# Altium PCB IDC_MCX_Adapter_flex.PCBDOC (part 3 of 4)
Units mm, origin at the board's own origin, x right, y up, seen from the top; angles counter-clockwise.
Board outline 170.6 x 106.1 mm, 4 copper layers (L1, L2, L3, L4), stack 1.598 mm thick; 298 components, 203 nets, 907 pads, 346 vias.
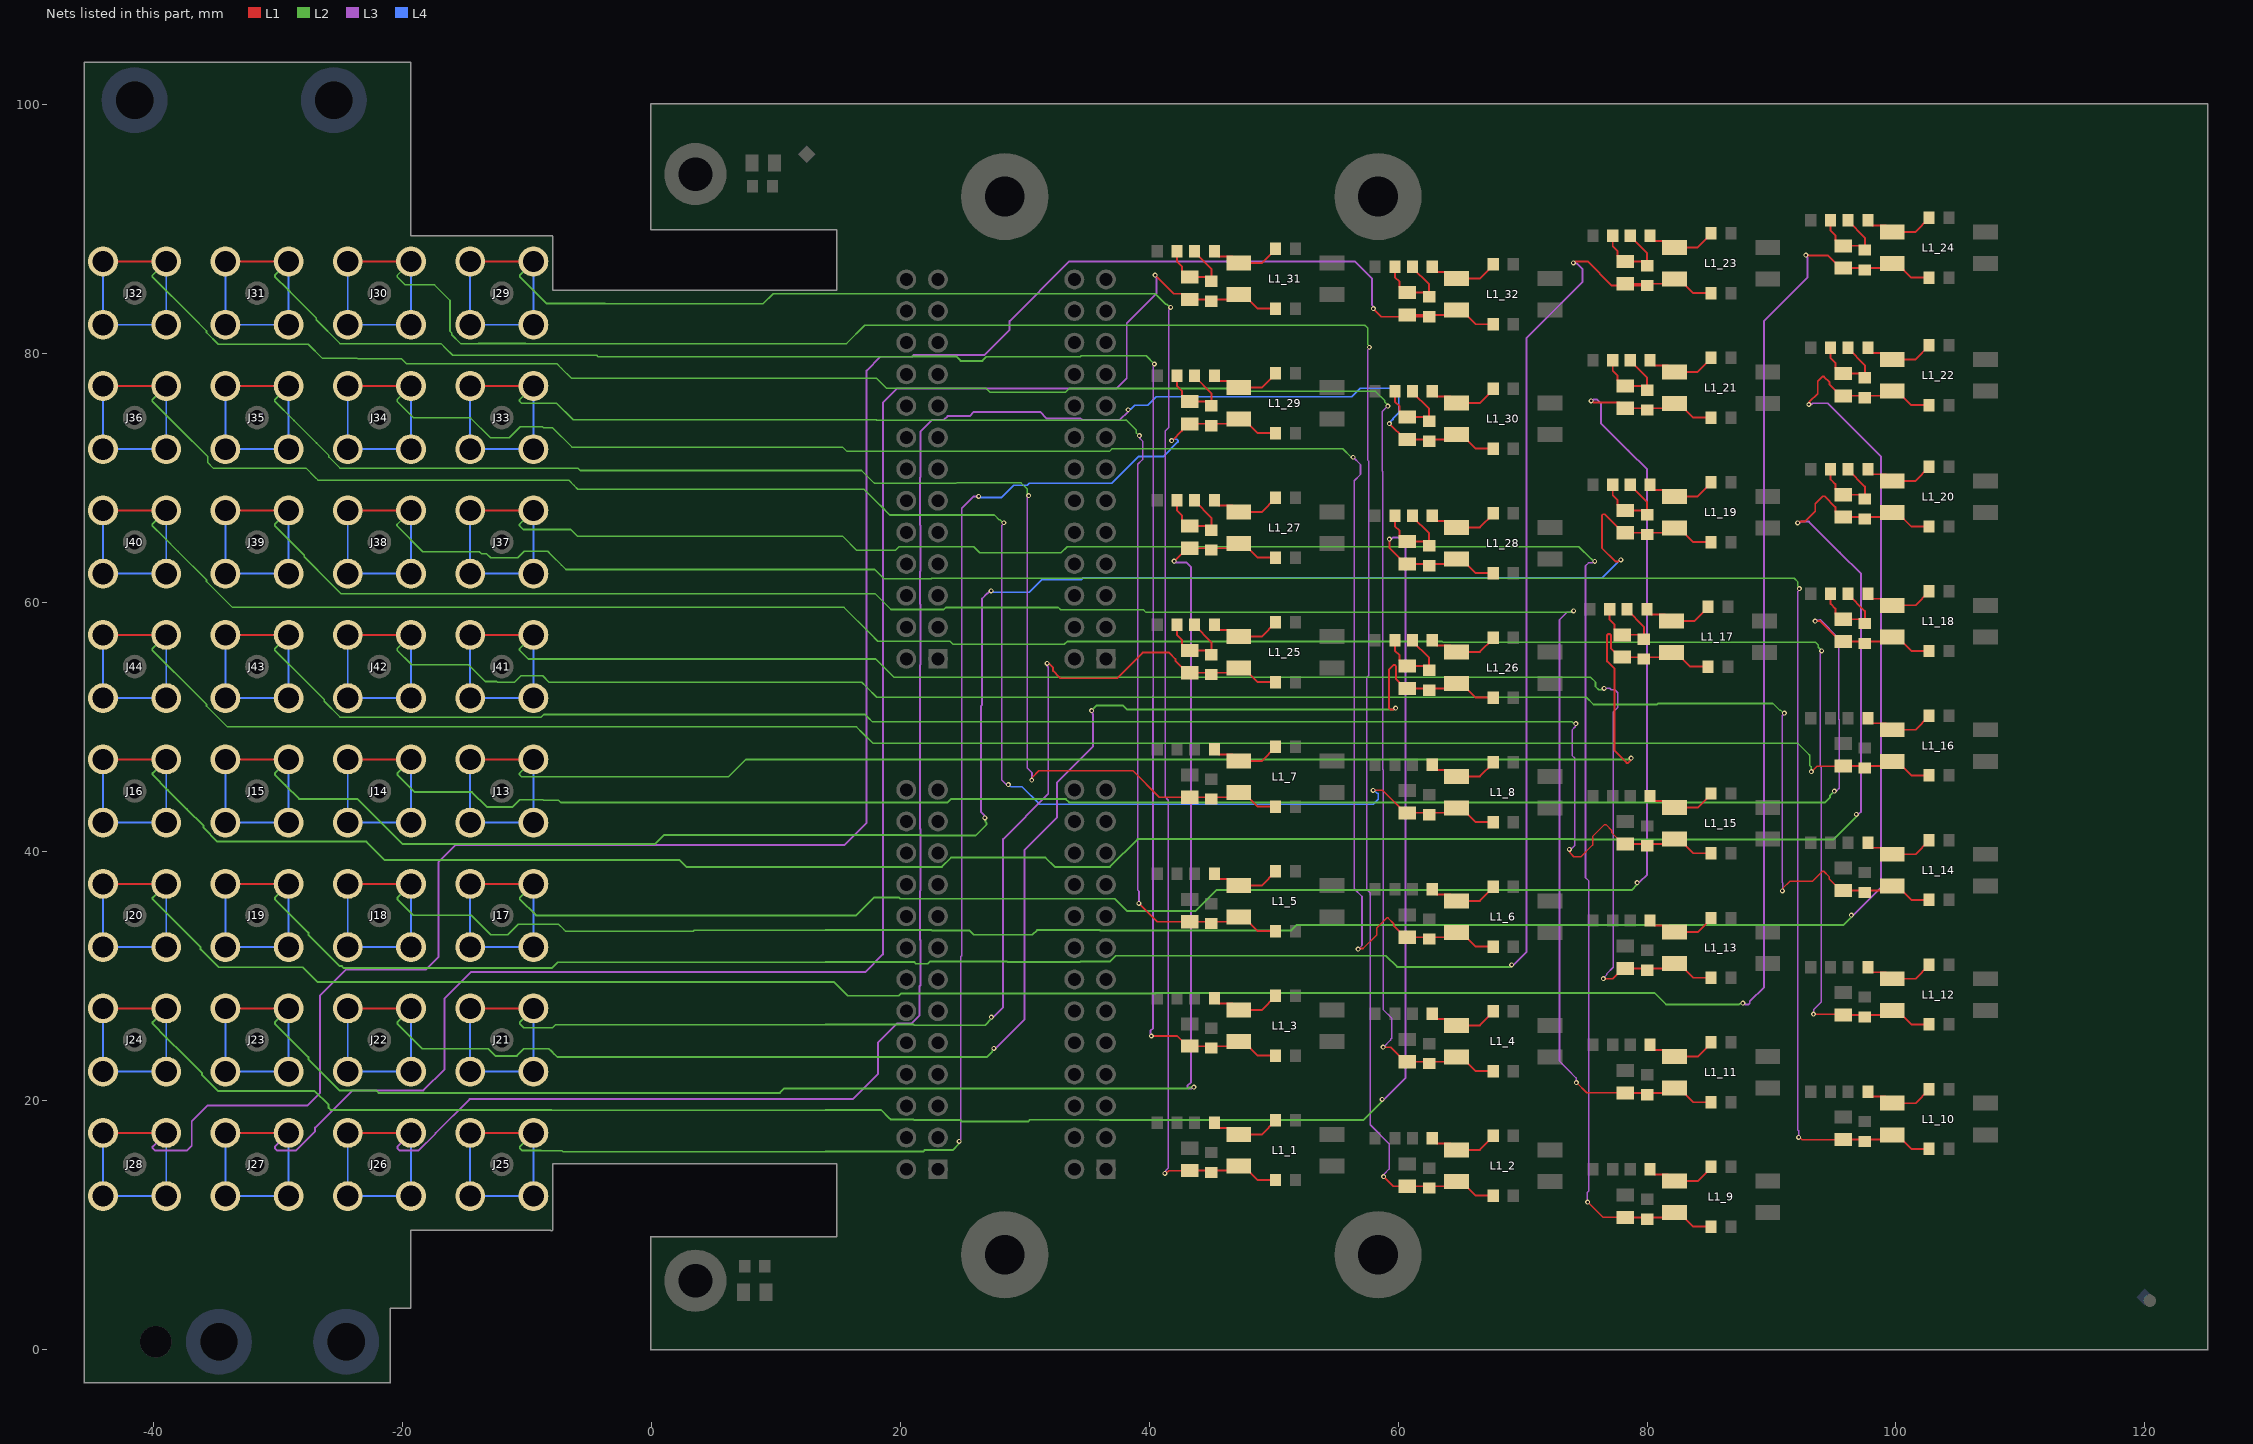
[diagram p5: the nets of this part, all layers, seen from the top]

## Via types
v1: diameter 0.5, hole 0.2, L1 to L4, tented both sides, 176 vias
v2: diameter 0.4, hole 0.2, L1 to L4, tented both sides, 170 vias

## Nets (pads, with @x,y where several pads share a name; then routed paths per layer and width w, separated by ;. In a path a pad name is that pad's centre, name@x,y a point inside that pad or via, vN(x,y) a via of type N, cw(c..) or ccw(c..) an arc to the next point about the centre after c; other vN are vias at no path point) (continued)
NetC1_17_2: C1_17.2 R2_17.1 R3_17.2 R4_17.2 | length 7.4
  L1 w0.152: R3_17.2@77,59.45 77,58.626 77.376,58.249 77.376,57.849 77.825,57.4 C1_17.2@78,57.4 79.4,57.4 R4_17.2@79.75,57.05 79.75,58.05 78.4,59.4 R2_17.1@78.4,59.45
NetC1_18_2: C1_18.2 R2_18.1 R3_18.2 R4_18.2 | length 7.4
  L1 w0.152: R3_18.2@94.75,60.7 94.75,59.876 95.126,59.499 95.126,59.099 95.575,58.65 C1_18.2@95.75,58.65 97.15,58.65 R4_18.2@97.5,58.3 97.5,59.3 96.15,60.65 R2_18.1@96.15,60.7
NetC1_19_2: C1_19.2 R2_19.1 R3_19.2 R4_19.2 | length 7.4
  L1 w0.152: R3_19.2@77.25,69.45 77.25,68.626 77.626,68.249 77.626,67.849 78.075,67.4 C1_19.2@78.25,67.4 79.65,67.4 R4_19.2@80,67.05 80,68.05 78.65,69.4 R2_19.1@78.65,69.45
NetC1_20_2: C1_20.2 R2_20.1 R3_20.2 R4_20.2 | length 7.4
  L1 w0.152: R3_20.2@94.75,70.7 94.75,69.876 95.126,69.499 95.126,69.099 95.575,68.65 C1_20.2@95.75,68.65 97.15,68.65 R4_20.2@97.5,68.3 97.5,69.3 96.15,70.65 R2_20.1@96.15,70.7
NetC1_21_2: C1_21.2 R2_21.1 R3_21.2 R4_21.2 | length 7.4
  L1 w0.152: R3_21.2@77.25,79.45 77.25,78.626 77.626,78.249 77.626,77.849 78.075,77.4 C1_21.2@78.25,77.4 79.65,77.4 R4_21.2@80,77.05 80,78.05 78.65,79.4 R2_21.1@78.65,79.45
NetC1_22_2: C1_22.2 R2_22.1 R3_22.2 R4_22.2 | length 7.4
  L1 w0.152: R3_22.2@94.75,80.45 94.75,79.626 95.126,79.249 95.126,78.849 95.575,78.4 C1_22.2@95.75,78.4 97.15,78.4 R4_22.2@97.5,78.05 97.5,79.05 96.15,80.4 R2_22.1@96.15,80.45
NetC1_23_2: C1_23.2 R2_23.1 R3_23.2 R4_23.2 | length 7.4
  L1 w0.152: R3_23.2@77.25,89.45 77.25,88.626 77.626,88.249 77.626,87.849 78.075,87.4 C1_23.2@78.25,87.4 79.65,87.4 R4_23.2@80,87.05 80,88.05 78.65,89.4 R2_23.1@78.65,89.45
NetC1_24_2: C1_24.2 R2_24.1 R3_24.2 R4_24.2 | length 7.4
  L1 w0.152: R3_24.2@94.75,90.7 94.75,89.876 95.126,89.499 95.126,89.099 95.575,88.65 C1_24.2@95.75,88.65 97.15,88.65 R4_24.2@97.5,88.3 97.5,89.3 96.15,90.65 R2_24.1@96.15,90.7
NetC1_25_2: C1_25.2 R2_25.1 R3_25.2 R4_25.2 | length 7.4
  L1 w0.152: R3_25.2@42.25,58.2 42.25,57.376 42.626,56.999 42.626,56.599 43.075,56.15 C1_25.2@43.25,56.15 44.65,56.15 R4_25.2@45,55.8 45,56.8 43.65,58.15 R2_25.1@43.65,58.2
NetC1_26_2: C1_26.2 R2_26.1 R3_26.2 R4_26.2 | length 7.4
  L1 w0.152: R3_26.2@59.75,56.95 59.75,56.126 60.126,55.749 60.126,55.349 60.575,54.9 C1_26.2@60.75,54.9 62.15,54.9 R4_26.2@62.5,54.55 62.5,55.55 61.15,56.9 R2_26.1@61.15,56.95
NetC1_27_2: C1_27.2 R2_27.1 R3_27.2 R4_27.2 | length 7.4
  L1 w0.152: R3_27.2@42.25,68.2 42.25,67.376 42.626,66.999 42.626,66.599 43.075,66.15 C1_27.2@43.25,66.15 44.65,66.15 R4_27.2@45,65.8 45,66.8 43.65,68.15 R2_27.1@43.65,68.2
NetC1_28_2: C1_28.2 R2_28.1 R3_28.2 R4_28.2 | length 7.4
  L1 w0.152: R3_28.2@59.75,66.95 59.75,66.126 60.126,65.749 60.126,65.349 60.575,64.9 C1_28.2@60.75,64.9 62.15,64.9 R4_28.2@62.5,64.55 62.5,65.55 61.15,66.9 R2_28.1@61.15,66.95
NetC1_29_2: C1_29.2 R2_29.1 R3_29.2 R4_29.2 | length 7.4
  L1 w0.152: R3_29.2@42.25,78.2 42.25,77.376 42.626,76.999 42.626,76.599 43.075,76.15 C1_29.2@43.25,76.15 44.65,76.15 R4_29.2@45,75.8 45,76.8 43.65,78.15 R2_29.1@43.65,78.2
NetC1_30_2: C1_30.2 R2_30.1 R3_30.2 R4_30.2 | length 7.4
  L1 w0.152: R3_30.2@59.75,76.95 59.75,76.126 60.126,75.749 60.126,75.349 60.575,74.9 C1_30.2@60.75,74.9 62.15,74.9 R4_30.2@62.5,74.55 62.5,75.55 61.15,76.9 R2_30.1@61.15,76.95
NetC1_31_2: C1_31.2 R2_31.1 R3_31.2 R4_31.2 | length 7.4
  L1 w0.152: R3_31.2@42.25,88.2 42.25,87.376 42.626,86.999 42.626,86.599 43.075,86.15 C1_31.2@43.25,86.15 44.65,86.15 R4_31.2@45,85.8 45,86.8 43.65,88.15 R2_31.1@43.65,88.2
NetC1_32_2: C1_32.2 R2_32.1 R3_32.2 R4_32.2 | length 7.4
  L1 w0.152: R3_32.2@59.75,86.95 59.75,86.126 60.126,85.749 60.126,85.349 60.575,84.9 C1_32.2@60.75,84.9 62.15,84.9 R4_32.2@62.5,84.55 62.5,85.55 61.15,86.9 R2_32.1@61.15,86.95
NetL1_1_1: L1_1.1 R1_1.1 R2_1.2 | length 5.8
  L1 w0.152: R2_1.2@45.25,18.2 45.25,18.168 45.624,17.794 46.676,17.794 L1_1.1@47.2,17.27 49.07,17.27 R1_1.1@50.15,18.35
NetL1_2_1: L1_2.1 R1_2.1 R2_2.2 | length 5.8
  L1 w0.152: R2_2.2@62.75,16.95 62.75,16.918 63.124,16.544 64.176,16.544 L1_2.1@64.7,16.02 66.57,16.02 67.65,17.1 R1_2.1@67.65,17.15
NetL1_3_1: L1_3.1 R1_3.1 R2_3.2 | length 5.7
  L1 w0.152: R2_3.2@45.25,28.168 45.624,27.794 46.676,27.794 L1_3.1@47.2,27.27 49.07,27.27 R1_3.1@50.15,28.35
NetL1_4_1: L1_4.1 R1_4.1 R2_4.2 | length 5.8
  L1 w0.152: R2_4.2@62.75,26.95 62.75,26.918 63.124,26.544 64.176,26.544 L1_4.1@64.7,26.02 66.57,26.02 67.65,27.1 R1_4.1@67.65,27.15
NetL1_5_1: L1_5.1 R1_5.1 R2_5.2 | length 5.8
  L1 w0.152: R2_5.2@45.25,38.2 45.25,38.168 45.624,37.794 46.676,37.794 L1_5.1@47.2,37.27 49.07,37.27 50.15,38.35 R1_5.1@50.15,38.4
NetL1_6_1: L1_6.1 R1_6.1 R2_6.2 | length 5.8
  L1 w0.152: R2_6.2@62.75,36.95 62.75,36.918 63.124,36.544 64.176,36.544 L1_6.1@64.7,36.02 66.57,36.02 67.65,37.1 R1_6.1@67.65,37.15
NetL1_7_1: L1_7.1 R1_7.1 R2_7.2 | length 5.8
  L1 w0.152: R2_7.2@45.25,48.2 45.25,48.168 45.624,47.794 46.676,47.794 L1_7.1@47.2,47.27 49.07,47.27 50.15,48.35 R1_7.1@50.15,48.4
NetL1_8_1: L1_8.1 R1_8.1 R2_8.2 | length 5.8
  L1 w0.152: R2_8.2@62.75,46.95 62.75,46.918 63.124,46.544 64.176,46.544 L1_8.1@64.7,46.02 66.57,46.02 67.65,47.1 R1_8.1@67.65,47.15
NetL1_9_1: L1_9.1 R1_9.1 R2_9.2 | length 5.8
  L1 w0.152: R2_9.2@80.25,14.45 80.25,14.418 80.624,14.044 81.676,14.044 L1_9.1@82.2,13.52 84.07,13.52 85.15,14.6 R1_9.1@85.15,14.65
NetL1_10_1: L1_10.1 R1_10.1 R2_10.2 | length 5.8
  L1 w0.152: R2_10.2@97.75,20.7 97.75,20.668 98.124,20.294 99.176,20.294 L1_10.1@99.7,19.77 101.57,19.77 102.65,20.85 R1_10.1@102.65,20.9
NetL1_11_1: L1_11.1 R1_11.1 R2_11.2 | length 5.8
  L1 w0.152: R2_11.2@80.25,24.45 80.25,24.418 80.624,24.044 81.676,24.044 L1_11.1@82.2,23.52 84.07,23.52 85.15,24.6 R1_11.1@85.15,24.65
NetL1_12_1: L1_12.1 R1_12.1 R2_12.2 | length 5.8
  L1 w0.152: R2_12.2@97.75,30.7 97.75,30.668 98.124,30.294 99.176,30.294 L1_12.1@99.7,29.77 101.57,29.77 102.65,30.85 R1_12.1@102.65,30.9
NetL1_13_1: L1_13.1 R1_13.1 R2_13.2 | length 5.8
  L1 w0.152: R2_13.2@80.25,34.45 80.25,34.418 80.624,34.044 81.676,34.044 L1_13.1@82.2,33.52 84.07,33.52 85.15,34.6 R1_13.1@85.15,34.65
NetL1_14_1: L1_14.1 R1_14.1 R2_14.2 | length 5.8
  L1 w0.152: R2_14.2@97.75,40.7 97.75,40.668 98.124,40.294 99.176,40.294 L1_14.1@99.7,39.77 101.57,39.77 102.65,40.85 R1_14.1@102.65,40.9
NetL1_15_1: L1_15.1 R1_15.1 R2_15.2 | length 5.8
  L1 w0.152: R2_15.2@80.25,44.45 80.25,44.418 80.624,44.044 81.676,44.044 L1_15.1@82.2,43.52 84.07,43.52 85.15,44.6 R1_15.1@85.15,44.65
NetL1_16_1: L1_16.1 R1_16.1 R2_16.2 | length 5.8
  L1 w0.152: R2_16.2@97.75,50.7 97.75,50.668 98.124,50.294 99.176,50.294 L1_16.1@99.7,49.77 101.57,49.77 102.65,50.85 R1_16.1@102.65,50.9
NetL1_17_1: L1_17.1 R1_17.1 R2_17.2 | length 5.8
  L1 w0.152: R2_17.2@80,59.45 80,59.418 80.374,59.044 81.426,59.044 L1_17.1@81.95,58.52 83.82,58.52 84.9,59.6 R1_17.1@84.9,59.65
NetL1_18_1: L1_18.1 R1_18.1 R2_18.2 | length 5.8
  L1 w0.152: R2_18.2@97.75,60.7 97.75,60.668 98.124,60.294 99.176,60.294 L1_18.1@99.7,59.77 101.57,59.77 102.65,60.85 R1_18.1@102.65,60.9
NetL1_19_1: L1_19.1 R1_19.1 R2_19.2 | length 5.8
  L1 w0.152: R2_19.2@80.25,69.45 80.25,69.418 80.624,69.044 81.676,69.044 L1_19.1@82.2,68.52 84.07,68.52 85.15,69.6 R1_19.1@85.15,69.65
NetL1_20_1: L1_20.1 R1_20.1 R2_20.2 | length 5.8
  L1 w0.152: R2_20.2@97.75,70.7 97.75,70.668 98.124,70.294 99.176,70.294 L1_20.1@99.7,69.77 101.57,69.77 102.65,70.85 R1_20.1@102.65,70.9
NetL1_21_1: L1_21.1 R1_21.1 R2_21.2 | length 5.8
  L1 w0.152: R2_21.2@80.25,79.45 80.25,79.418 80.624,79.044 81.676,79.044 L1_21.1@82.2,78.52 84.07,78.52 85.15,79.6 R1_21.1@85.15,79.65
NetL1_22_1: L1_22.1 R1_22.1 R2_22.2 | length 5.8
  L1 w0.152: R2_22.2@97.75,80.45 97.75,80.418 98.124,80.044 99.176,80.044 L1_22.1@99.7,79.52 101.57,79.52 102.65,80.6 R1_22.1@102.65,80.65
NetL1_23_1: L1_23.1 R1_23.1 R2_23.2 | length 5.8
  L1 w0.152: R2_23.2@80.25,89.45 80.25,89.418 80.624,89.044 81.676,89.044 L1_23.1@82.2,88.52 84.07,88.52 85.15,89.6 R1_23.1@85.15,89.65
NetL1_24_1: L1_24.1 R1_24.1 R2_24.2 | length 5.8
  L1 w0.152: R2_24.2@97.75,90.7 97.75,90.668 98.124,90.294 99.176,90.294 L1_24.1@99.7,89.77 101.57,89.77 102.65,90.85 R1_24.1@102.65,90.9
NetL1_25_1: L1_25.1 R1_25.1 R2_25.2 | length 5.8
  L1 w0.152: R2_25.2@45.25,58.2 45.25,58.168 45.624,57.794 46.676,57.794 L1_25.1@47.2,57.27 49.07,57.27 50.15,58.35 R1_25.1@50.15,58.4
NetL1_26_1: L1_26.1 R1_26.1 R2_26.2 | length 5.8
  L1 w0.152: R2_26.2@62.75,56.95 62.75,56.918 63.124,56.544 64.176,56.544 L1_26.1@64.7,56.02 66.57,56.02 67.65,57.1 R1_26.1@67.65,57.15
NetL1_27_1: L1_27.1 R1_27.1 R2_27.2 | length 5.8
  L1 w0.152: R2_27.2@45.25,68.2 45.25,68.168 45.624,67.794 46.676,67.794 L1_27.1@47.2,67.27 49.07,67.27 50.15,68.35 R1_27.1@50.15,68.4
NetL1_28_1: L1_28.1 R1_28.1 R2_28.2 | length 5.8
  L1 w0.152: R2_28.2@62.75,66.95 62.75,66.918 63.124,66.544 64.176,66.544 L1_28.1@64.7,66.02 66.57,66.02 67.65,67.1 R1_28.1@67.65,67.15
NetL1_29_1: L1_29.1 R1_29.1 R2_29.2 | length 5.8
  L1 w0.152: R2_29.2@45.25,78.2 45.25,78.168 45.624,77.794 46.676,77.794 L1_29.1@47.2,77.27 49.07,77.27 50.15,78.35 R1_29.1@50.15,78.4
NetL1_30_1: L1_30.1 R1_30.1 R2_30.2 | length 5.8
  L1 w0.152: R2_30.2@62.75,76.95 62.75,76.918 63.124,76.544 64.176,76.544 L1_30.1@64.7,76.02 66.57,76.02 67.65,77.1 R1_30.1@67.65,77.15
NetL1_31_1: L1_31.1 R1_31.1 R2_31.2 | length 5.8
  L1 w0.152: R2_31.2@45.25,88.2 45.25,88.168 45.624,87.794 46.676,87.794 L1_31.1@47.2,87.27 49.07,87.27 50.15,88.35 R1_31.1@50.15,88.4
NetL1_32_1: L1_32.1 R1_32.1 R2_32.2 | length 5.8
  L1 w0.152: R2_32.2@62.75,86.95 62.75,86.918 63.124,86.544 64.176,86.544 L1_32.1@64.7,86.02 66.57,86.02 67.65,87.1 R1_32.1@67.65,87.15
OUT_N1: C1_1.1 J29.2 L1_1.2 R4_1.1 R5_1.1 | length 155.6
  L1 w0.127: v2(41.273,14.127) 41.347,14.127 41.569,14.35 C1_1.1@43.25,14.35
  L1 w0.152: J29.2@-14.54,87.39 J29.2@-9.46,87.39 ; C1_1.1@43.25,14.35 46.82,14.35 L1_1.2@47.2,14.73 47.6,14.73 48.73,13.6 R5_1.1@50.15,13.6
  L3 w0.127: v2(41.273,14.127) 41.325,14.18 41.325,14.355 41.543,14.573 41.543,44.119 41.283,44.379 41.283,73.741 41.564,74.023 41.564,83.489 41.727,83.652 v2(41.727,83.7)
  L2 w0.127: -3.7,84.003 -3.687,83.99 8.991,83.99 9.804,84.803 22.914,84.803 40.492,84.803 41.345,83.95 41.425,83.95 41.675,83.7 v2(41.727,83.7)
  L2 w0.152: J29.2@-9.46,87.39 -10.559,86.291 -10.559,86.165 -9.617,85.223 -8.397,84.003 -3.7,84.003
  L4 w0.152: J29.2@-14.54,87.39 J29.2@-14.54,82.31 J29.2@-9.46,82.31 J29.2@-9.46,87.39
OUT_N2: C1_2.1 J30.2 L1_2.2 R4_2.1 R5_2.1 | length 183.5
  L1 w0.152: J30.2@-24.373,87.39 J30.2@-19.293,87.39 ; v2(58.835,13.865) 59.6,13.1 C1_2.1@60.75,13.1 64.32,13.1 L1_2.2@64.7,13.48 65.1,13.48 66.23,12.35 R5_2.1@67.65,12.35
  L3 w0.127: v2(57.703,80.5) 57.703,80.426 57.579,80.302 57.579,71.407 57.64,71.346 57.64,54.126 57.483,53.968 57.483,36.931 57.76,36.653 57.76,18.04 59.279,16.521 59.279,14.484 58.887,14.092 58.887,13.917 v2(58.835,13.865)
  L2 w0.127: J30.2@-19.293,87.39 -20.412,86.271 -20.412,86.166 -19.754,85.508 -17.408,85.508 -16.162,84.262 -16.162,81.785 -16.021,81.645 -16.021,81.5 -15.313,80.792 -13.911,80.792 -13.904,80.8 -10.096,80.8 -10.089,80.792 15.693,80.792 17.163,82.263 21.597,82.263 57.332,82.263 57.498,82.098 57.579,82.016 57.579,80.698 57.703,80.574 v2(57.703,80.5)
  L4 w0.152: J30.2@-24.373,87.39 J30.2@-24.373,82.31 J30.2@-19.293,82.31 J30.2@-19.293,87.39
OUT_N3: C1_3.1 J31.2 L1_3.2 R4_3.1 R5_3.1 | length 161.1
  L1 w0.152: J31.2@-34.207,87.39 J31.2@-29.127,87.39 ; v2(40.174,25.169) 42.256,25.169 43.075,24.35 C1_3.1@43.25,24.35 45,24.35 46.82,24.35 L1_3.2@47.2,24.73 47.6,24.73 48.73,23.6 R5_3.1@50.15,23.6
  L3 w0.152: v2(40.174,25.169) 40.127,25.216 40.127,25.352 40.096,25.382 40.096,25.585 40.316,25.804 40.316,52.494 40.331,52.509 40.331,78.991 40.427,79.087 v2(40.427,79.154)
  L2 w0.127: -29.031,84.969 -26.918,82.856 -26.918,82.708 -25.002,80.792 -16.892,80.792 -16.5,80.4 -15.947,79.847 -4.384,79.847 -4.26,79.723 13.987,79.723 13.999,79.735
  L2 w0.152: J31.2@-29.127,87.39 -30.226,86.291 -30.226,86.165 -29.168,85.106 -29.031,84.969 ; 14,79.736 20.961,79.736 20.986,79.761 24.502,79.761 24.852,79.411 26.611,79.411 26.936,79.736 34.461,79.736 34.54,79.816 39.765,79.816 v2(40.427,79.154)
  L4 w0.152: J31.2@-34.207,87.39 J31.2@-34.207,82.31 J31.2@-29.127,82.31 J31.2@-29.127,87.39
OUT_N4: C1_4.1 J32.2 L1_4.2 R4_4.1 R5_4.1 | length 188.3
  L1 w0.127: v2(58.8,24.273) 59.402,24.273 60.575,23.1 C1_4.1@60.75,23.1
  L1 w0.152: J32.2@-44.04,87.39 J32.2@-38.96,87.39 ; C1_4.1@60.75,23.1 64.32,23.1 L1_4.2@64.7,23.48 65.1,23.48 66.23,22.35 R5_4.1@67.65,22.35
  L3 w0.127: v2(58.8,24.273) 58.825,24.273 59.398,24.845 59.398,24.902 59.482,24.987 59.482,26.618 58.797,27.303 58.797,46.536 58.783,46.55 58.783,70.506 58.713,70.576 58.713,75.31 v2(59.177,75.773)
  L2 w0.127: J32.2@-38.96,87.39 -40.079,86.271 -40.079,86.166 -36.856,82.944 -35.724,81.812 -35.724,81.681 -34.783,80.739 -27.539,80.739 -26.4,79.6 -23.6,79.6 -23.559,79.559 -20.046,79.559 -19.674,79.187 -7.592,79.187 -7.202,78.798 -6.405,78 18.095,78 18.798,77.298 18.903,77.192 26.908,77.192 27.2,76.9 33.31,76.9 33.593,77.183 47.038,77.183 47.271,76.95 58.191,76.95 58.945,76.196 58.945,76.079 59.177,75.847 v2(59.177,75.773)
  L4 w0.152: J32.2@-44.04,87.39 J32.2@-44.04,82.31 J32.2@-38.96,82.31 J32.2@-38.96,87.39
OUT_N5: C1_5.1 J33.2 L1_5.2 R4_5.1 R5_5.1 | length 123.2
  L1 w0.127: v2(39.173,35.827) 40.65,34.35 C1_5.1@43.25,34.35
  L1 w0.152: J33.2@-14.54,77.39 J33.2@-9.46,77.39 ; C1_5.1@43.25,34.35 46.82,34.35 L1_5.2@47.2,34.73 47.6,34.73 48.73,33.6 R5_5.1@50.15,33.6
  L3 w0.127: v2(39.173,35.827) 39.191,35.845 39.191,36.809 39.1,36.9 39.098,36.902 39.098,71.098 39.475,71.475 39.475,72.959 39.27,73.164 39.27,73.348 v2(39.218,73.4)
  L2 w0.127: J33.2@-9.46,77.39 -10.579,76.271 -10.579,76.166 -10.412,76 -7.6,76 -6.306,74.706 -6.269,74.669 13.999,74.669 14.095,74.669 18.1,74.657 18.106,74.651 38.132,74.651 38.15,74.669 38.982,73.837 38.982,73.611 39.193,73.4 v2(39.218,73.4)
  L4 w0.152: J33.2@-14.54,77.39 J33.2@-14.54,72.31 J33.2@-9.46,72.31 J33.2@-9.46,77.39
OUT_N6: C1_6.1 J34.2 L1_6.2 R4_6.1 R5_6.1 | length 155.5
  L1 w0.127: v2(56.8,32.146) 56.852,32.198 57.189,32.198 58.281,33.29 58.281,33.844 59.09,34.654 59.196,34.654 59.655,34.195 59.655,34.02 60.575,33.1 C1_6.1@60.75,33.1
  L1 w0.152: J34.2@-24.373,77.39 J34.2@-19.293,77.39 ; C1_6.1@60.75,33.1 64.32,33.1 L1_6.2@64.7,33.48 65.1,33.48 66.23,32.35 R5_6.1@67.65,32.35
  L3 w0.127: v2(56.39,71.662) 56.979,71.073 56.979,70.284 56.479,69.784 56.479,37 57.1,36.379 57.1,32.446 v2(56.8,32.146)
  L2 w0.127: J34.2@-19.293,77.39 -20.412,76.271 -20.412,76.166 -19.066,74.82 -14.509,74.82 -12.912,73.224 -11.403,73.224 -10.519,74.107 -8.73,74.107 -8.642,74.019 -7.899,74.019 -6.359,72.479 15.372,72.479 15.723,72.129 36.816,72.129 37.027,72.34 55.555,72.34 56.259,71.636 56.364,71.636 v2(56.39,71.662)
  L4 w0.152: J34.2@-24.373,77.39 J34.2@-24.373,72.31 J34.2@-19.293,72.31 J34.2@-19.293,77.39
OUT_N7: C1_7.1 J35.2 L1_7.2 R4_7.1 R5_7.1 | length 130.6
  L1 w0.127: v2(30.573,45.727) 30.625,45.78 30.625,45.955 31.138,46.468 38.702,46.468 40.821,44.35 C1_7.1@43.25,44.35
  L1 w0.152: J35.2@-34.207,77.39 J35.2@-29.127,77.39 ; C1_7.1@43.25,44.35 46.82,44.35 L1_7.2@47.2,44.73 47.6,44.73 48.73,43.6 R5_7.1@50.15,43.6
  L3 w0.127: v2(30.329,68.576) 30.329,68.528 30.203,68.402 30.203,46.697 30.447,46.453 30.591,46.31 30.591,45.745 v2(30.573,45.727)
  L2 w0.127: J35.2@-29.127,77.39 -30.246,76.271 -30.246,76.166 -28.693,74.613 -26.89,72.81 -25.891,71.811 -25.891,71.681 -25.002,70.793 -5.892,70.793 -5.7,70.6 16.9,70.6 17.9,69.6 17.911,69.589 24.519,69.589 24.531,69.6 29.709,69.6 30.203,69.106 30.203,68.776 30.329,68.65 v2(30.329,68.576)
  L4 w0.152: J35.2@-34.207,77.39 J35.2@-34.207,72.31 J35.2@-29.127,72.31 J35.2@-29.127,77.39
OUT_N8: C1_8.1 J36.2 L1_8.2 R4_8.1 R5_8.1 | length 158.7
  L1 w0.127: v2(58,44.9) 58.775,44.9 60.575,43.1 C1_8.1@60.75,43.1
  L1 w0.152: J36.2@-44.04,77.39 J36.2@-38.96,77.39 ; C1_8.1@60.75,43.1 64.32,43.1 L1_8.2@64.7,43.48 65.1,43.48 66.23,42.35 R5_8.1@67.65,42.35
  L3 w0.127: v2(28.327,66.4) 28.327,66.352 28.164,66.189 28.164,45.736 28.566,45.334 28.671,45.334 v2(28.697,45.36)
  L2 w0.127: J36.2@-38.96,77.39 -40.079,76.271 -40.079,76.166 -37.992,74.08 -35.692,71.78 -35.61,71.698 -35.61,71.21 -35.192,70.792 -27.738,70.792 -27.002,70.056 -26.773,69.827 -6.627,69.827 -6.2,69.4 -5.9,69.1 17.095,69.1 18.298,67.898 18.396,67.799 19.172,67.023 27.572,67.023 27.945,66.65 28.025,66.65 28.275,66.4 v2(28.327,66.4)
  L4 w0.127: v2(28.697,45.36) 28.737,45.36 28.908,45.188 29.796,45.188 31.206,43.779 32.521,43.779 32.545,43.803 47.105,43.803 47.128,43.779 58,43.779 58.4,44.179 58.4,44.668 58.306,44.668 58.074,44.9 v2(58,44.9)
  L4 w0.152: J36.2@-44.04,77.39 J36.2@-44.04,72.31 J36.2@-38.96,72.31 J36.2@-38.96,77.39
OUT_N9: C1_9.1 J37.2 L1_9.2 R4_9.1 R5_9.1 | length 173.4
  L1 w0.127: v2(75.227,11.827) 76.455,10.6 C1_9.1@78.25,10.6
  L1 w0.152: J37.2@-14.54,67.39 J37.2@-9.46,67.39 ; C1_9.1@78.25,10.6 81.82,10.6 L1_9.2@82.2,10.98 82.6,10.98 83.73,9.85 R5_9.1@85.15,9.85
  L3 w0.127: v2(75.227,11.827) 75.21,11.845 75.21,12.605 75.302,12.698 75.302,12.716 75.331,12.744 75.331,37.612 75.056,37.887 75.056,62.938 75.294,63.176 75.602,63.176 75.726,63.3 v2(75.8,63.3)
  L2 w0.127: J37.2@-9.46,67.39 -10.579,66.271 -10.579,66.166 -10.271,65.858 -6.458,65.858 -5.9,65.3 15.4,65.3 16.5,64.2 19.631,64.2 19.914,64.483 25.917,64.483 26.4,64 32.931,64 33.414,64.483 74.517,64.483 75.5,63.5 75.526,63.5 75.726,63.3 v2(75.8,63.3)
  L4 w0.152: J37.2@-14.54,67.39 J37.2@-14.54,62.31 J37.2@-9.46,62.31 J37.2@-9.46,67.39
OUT_N10: C1_10.1 J38.2 L1_10.2 R4_10.1 R5_10.1 | length 192.8
  L1 w0.127: v2(92.173,17.027) 92.247,17.027 92.424,16.85 C1_10.1@95.75,16.85
  L1 w0.152: J38.2@-24.373,67.39 J38.2@-19.293,67.39 ; C1_10.1@95.75,16.85 99.32,16.85 L1_10.2@99.7,17.23 100.1,17.23 101.23,16.1 R5_10.1@102.65,16.1
  L3 w0.127: v2(92.173,17.027) 92.181,17.036 92.181,17.556 92.122,17.615 92.122,60.902 92.246,61.026 v2(92.246,61.1)
  L2 w0.127: J38.2@-19.293,67.39 -20.421,66.262 -20.421,66.157 -18.345,64.081 -13.806,64.081 -13.634,63.91 -13.225,63.91 -12.898,63.582 -10.729,63.582 -10.204,64.107 -8.312,64.107 -8,63.795 -7.202,62.998 -6.852,62.648 17.952,62.648 18.5,62.1 18.7,61.9 22.5,61.9 22.543,61.943 91.823,61.943 92.122,61.644 92.122,61.298 92.246,61.174 v2(92.246,61.1)
  L4 w0.152: J38.2@-24.373,67.39 J38.2@-24.373,62.31 J38.2@-19.293,62.31 J38.2@-19.293,67.39
OUT_N11: C1_11.1 J39.2 L1_11.2 R4_11.1 R5_11.1 | length 180.5
  L1 w0.127: v2(74.327,21.427) 75.155,20.6 C1_11.1@78.25,20.6
  L1 w0.152: J39.2@-34.207,67.39 J39.2@-29.127,67.39 ; C1_11.1@78.25,20.6 81.82,20.6 L1_11.2@82.2,20.98 82.6,20.98 83.73,19.85 R5_11.1@85.15,19.85
  L3 w0.127: v2(74.1,59.324) 74.026,59.324 73.902,59.2 73.556,59.2 72.966,58.61 72.966,23.139 73.684,22.421 74.302,21.802 74.302,21.452 v2(74.327,21.427)
  L2 w0.127: J39.2@-29.127,67.39 -30.246,66.271 -30.246,66.166 -27.878,63.798 -27.878,63.668 -25.673,61.463 -24.89,60.68 13.5,60.68 18.011,60.68 19.263,59.429 23.495,59.429 23.66,59.594 32.713,59.594 32.903,59.403 39.54,59.403 39.744,59.2 73.8,59.2 73.872,59.272 74.048,59.272 v2(74.1,59.324)
  L4 w0.152: J39.2@-34.207,67.39 J39.2@-34.207,62.31 J39.2@-29.127,62.31 J39.2@-29.127,67.39
OUT_N12: C1_12.1 J40.2 L1_12.2 R4_12.1 R5_12.1 | length 200.1
  L1 w0.127: v2(93.373,26.927) 95.673,26.927 C1_12.1@95.75,26.85
  L1 w0.152: J40.2@-44.04,67.39 J40.2@-38.96,67.39 ; C1_12.1@95.75,26.85 99.32,26.85 L1_12.2@99.7,27.23 100.1,27.23 101.23,26.1 R5_12.1@102.65,26.1
  L3 w0.127: v2(93.373,26.927) 93.398,26.952 93.398,27.302 94,27.905 94,46.73 93.903,46.827 93.903,55.902 94.027,56.026 v2(94.027,56.1)
  L2 w0.127: J40.2@-38.96,67.39 -40.079,66.271 -40.079,66.166 -39.167,65.255 -38.006,64.094 -35.726,61.813 -35.726,61.683 -33.643,59.6 15.495,59.6 17.598,57.498 18.206,56.889 24.004,56.889 24.253,56.64 33.191,56.64 33.414,56.863 63.565,56.863 63.628,56.8 93.541,56.8 93.758,56.583 93.758,56.394 94.027,56.125 v2(94.027,56.1)
  L4 w0.152: J40.2@-44.04,67.39 J40.2@-44.04,62.31 J40.2@-38.96,62.31 J40.2@-38.96,67.39
OUT_N13: C1_13.1 J41.2 L1_13.2 R4_13.1 R5_13.1 | length 145
  L1 w0.127: v2(76.5,29.773) 77.248,29.773 78.075,30.6 C1_13.1@78.25,30.6
  L1 w0.152: J41.2@-14.54,57.39 J41.2@-9.46,57.39 ; C1_13.1@78.25,30.6 81.82,30.6 L1_13.2@82.2,30.98 82.6,30.98 83.73,29.85 R5_13.1@85.15,29.85
  L3 w0.127: v2(76.5,29.773) 76.5,29.825 76.75,30.075 76.75,30.155 77.279,30.684 77.279,51.203 77.644,51.568 77.644,52.738 77.406,52.976 77.134,52.976 77.01,53.1 v2(76.554,53.1)
  L2 w0.127: J41.2@-9.46,57.39 -10.579,56.271 -10.579,56.166 -9.871,55.458 18.042,55.458 19.501,53.999 75.462,53.999 75.859,53.602 75.859,53.243 76.126,52.976 76.357,52.976 76.48,53.1 v2(76.554,53.1)
  L4 w0.152: J41.2@-14.54,57.39 J41.2@-14.54,52.31 J41.2@-9.46,52.31 J41.2@-9.46,57.39
OUT_N14: C1_14.1 J42.2 L1_14.2 R4_14.1 R5_14.1 | length 164.3
  L1 w0.127: v2(90.873,36.827) 90.925,36.88 90.925,37.055 91.457,37.587 93.273,37.587 94.09,38.404 94.196,38.404 94.655,37.945 94.655,37.77 95.575,36.85 C1_14.1@95.75,36.85
  L1 w0.152: J42.2@-24.373,57.39 J42.2@-19.293,57.39 ; C1_14.1@95.75,36.85 99.32,36.85 L1_14.2@99.7,37.23 100.1,37.23 101.23,36.1 R5_14.1@102.65,36.1
  L3 w0.127: v2(90.873,36.827) 90.891,36.845 90.891,37.473 90.864,37.5 90.864,50.889 91.027,51.052 v2(91.027,51.1)
  L2 w0.127: J42.2@-19.293,57.39 -20.412,56.271 -20.412,56.166 -19.231,54.985 -14.674,54.985 -13.334,53.645 -12.418,53.645 -12.355,53.583 -10.988,53.583 -10.464,54.107 -8.716,54.107 -8.2,53.591 16.909,53.591 17.3,53.2 18.122,52.378 75.117,52.378 75.698,51.798 80.798,51.798 80.882,51.882 90.113,51.882 90.645,51.35 90.725,51.35 90.975,51.1 v2(91.027,51.1)
  L4 w0.152: J42.2@-24.373,57.39 J42.2@-24.373,52.31 J42.2@-19.293,52.31 J42.2@-19.293,57.39
OUT_N15: C1_15.1 J43.2 L1_15.2 R4_15.1 R5_15.1 | length 154.4
  L1 w0.127: v2(73.762,40.154) 73.815,40.102 73.815,39.884 74.122,39.577 74.694,39.577 75.624,40.507 75.624,41.188 76.59,42.154 76.696,42.154 77.155,41.695 77.155,41.52 78.075,40.6 C1_15.1@78.25,40.6
  L1 w0.152: J43.2@-34.207,57.39 J43.2@-29.127,57.39 ; C1_15.1@78.25,40.6 80,40.6 81.82,40.6 L1_15.2@82.2,40.98 82.6,40.98 83.73,39.85 R5_15.1@85.15,39.85
  L3 w0.127: v2(73.762,40.154) 73.836,40.154 73.935,40.253 73.97,40.253 74.209,40.492 74.209,47.475 73.978,47.706 73.978,49.751 74.238,50.011 74.238,50.21 v2(74.29,50.262)
  L2 w0.127: J43.2@-29.127,57.39 -30.246,56.271 -30.246,56.166 -27.74,53.66 -26.272,52.193 -26.272,52.063 -25.002,50.793 -8.831,50.793 -8.624,51 17.175,51 17.439,50.736 17.775,50.4 73.995,50.4 74.159,50.236 74.264,50.236 v2(74.29,50.262)
  L4 w0.152: J43.2@-34.207,57.39 J43.2@-34.207,52.31 J43.2@-29.127,52.31 J43.2@-29.127,57.39
OUT_N16: C1_16.1 J44.2 L1_16.2 R4_16.1 R5_16.1 | length 170.4
  L1 w0.127: v2(93.203,46.4) 93.653,46.85 C1_16.1@95.75,46.85
  L1 w0.152: J44.2@-44.04,57.39 J44.2@-38.96,57.39 ; C1_16.1@95.75,46.85 99.32,46.85 L1_16.2@99.7,47.23 100.1,47.23 101.23,46.1 R5_16.1@102.65,46.1
  L2 w0.127: J44.2@-38.96,57.39 -40.079,56.271 -40.079,56.166 -36.456,52.544 -35.724,51.812 -35.724,51.681 -34.043,50 16.495,50 16.998,49.498 17.795,48.7 92.095,48.7 92.898,47.898 93.079,47.716 93.079,46.9 93.189,46.791 93.189,46.414 v2(93.203,46.4)
  L4 w0.152: J44.2@-44.04,57.39 J44.2@-44.04,52.31 J44.2@-38.96,52.31 J44.2@-38.96,57.39
OUT_N17: C1_17.1 J13.2 L1_17.2 R4_17.1 R5_17.1 | length 133.5
  L1 w0.152: J13.2@-14.54,47.39 J13.2@-9.46,47.39 ; v2(78.712,47.493) 78.665,47.446 78.665,47.29 78.487,47.112 78.361,47.112 77.389,48.084 77.389,54.662 76.792,55.26 76.792,57.381 76.881,57.471 77.008,57.471 77.097,57.381 77.097,56.328 77.825,55.6 C1_17.1@78,55.6 81.57,55.6 L1_17.2@81.95,55.98 82.35,55.98 83.48,54.85 R5_17.1@84.9,54.85
  L2 w0.127: J13.2@-9.46,47.39 -10.579,46.271 -10.579,46.166 -10.412,46 6.21,46 7.593,47.382 v2@78.638,47.382
  L4 w0.152: J13.2@-14.54,47.39 J13.2@-14.54,42.31 J13.2@-9.46,42.31 J13.2@-9.46,47.39
OUT_N18: C1_18.1 J14.2 L1_18.2 R4_18.1 R5_18.1 | length 165.1
  L1 w0.152: J14.2@-24.373,47.39 J14.2@-19.293,47.39 ; v2(93.5,58.5) 93.504,58.496 93.929,58.496 95.575,56.85 C1_18.1@95.75,56.85 99.32,56.85 L1_18.2@99.7,57.23 100.1,57.23 101.23,56.1 R5_18.1@102.65,56.1
  L3 w0.152: v2(93.5,58.5) 93.547,58.547 93.861,58.547 93.907,58.593 95.4,57.1 95.4,50.601 95.438,50.563 95.438,45.069 95.26,44.891 95.103,44.891 v2(95.056,44.844)
  L2 w0.127: -8.7,44.145 -8.655,44.1 -7.445,44.1 -7.275,43.93 13.986,43.93 13.999,43.943
  L2 w0.152: J14.2@-19.293,47.39 -20.392,46.291 -20.392,46.165 -18.996,44.768 -14.403,44.768 -13.205,43.57 -11.133,43.57 -10.558,44.145 -8.7,44.145 ; 13.999,43.943 23.812,43.943 24.074,44.205 33.315,44.205 33.577,43.943 94.312,43.943 94.684,44.316 94.684,44.473 v2(95.056,44.844)
  L4 w0.152: J14.2@-24.373,47.39 J14.2@-24.373,42.31 J14.2@-19.293,42.31 J14.2@-19.293,47.39
OUT_N19: C1_19.1 J15.2 L1_19.2 R4_19.1 R5_19.1 | length 167.9
  L1 w0.152: J15.2@-34.207,47.39 J15.2@-29.127,47.39 ; v2(77.9,63.427) 77.833,63.427 77.701,63.295 77.454,63.295 76.376,64.373 76.376,66.994 76.465,67.084 76.591,67.084 78.075,65.6 C1_19.1@78.25,65.6 81.82,65.6 L1_19.2@82.2,65.98 82.6,65.98 83.73,64.85 R5_19.1@85.15,64.85
  L3 w0.152: v2(26.8,42.7) 26.753,42.747 26.753,42.904 26.486,43.171 26.486,51.679 26.584,51.777 26.584,60.316 26.974,60.705 27.011,60.705 27.233,60.927 v2(27.3,60.927)
  L2 w0.152: J15.2@-29.127,47.39 -30.226,46.291 -30.226,46.165 -29.393,45.331 -28.281,44.219 -23.619,44.219 -20,40.6 -8,40.6 0.316,40.6 1.018,41.301 21.639,41.301 21.664,41.276 26.076,41.276 26.937,42.137 26.937,42.289 26.847,42.379 26.847,42.653 v2(26.8,42.7)
  L4 w0.152: J15.2@-34.207,47.39 J15.2@-34.207,42.31 J15.2@-29.127,42.31 J15.2@-29.127,47.39 ; v2(27.3,60.927) 27.367,60.927 27.48,60.814 30.387,60.814 31.427,61.854 34.57,61.854 34.672,61.956 76.356,61.956 77.589,63.189 77.595,63.189 77.833,63.427 v2(77.9,63.427)
OUT_N20: C1_20.1 J16.2 L1_20.2 R4_20.1 R5_20.1 | length 204.4
  L1 w0.152: J16.2@-44.04,47.39 J16.2@-38.96,47.39 ; v2(92.1,66.389) 92.167,66.389 92.278,66.5 92.685,66.5 93.517,67.332 93.517,67.913 94.134,68.53 94.26,68.53 95.126,67.663 95.126,67.299 95.575,66.85 C1_20.1@95.75,66.85 99.32,66.85 L1_20.2@99.7,67.23 100.1,67.23 101.23,66.1 R5_20.1@102.65,66.1
  L3 w0.152: v2(92.1,66.389) 92.147,66.436 92.336,66.436 92.4,66.5 93,66.5 95.5,64 97.203,62.297 97.203,43.203 97.026,43.026 96.869,43.026 v2(96.821,42.979)
  L2 w0.152: J16.2@-38.96,47.39 -40.059,46.291 -40.059,46.165 -38.817,44.923 -37.297,43.403 -35.961,42.067 -35.961,41.9 -34.841,40.78 -22.88,40.78 -21.4,39.3 -8,39.3 2.277,39.3 2.841,38.736 22.413,38.736 22.438,38.761 23.346,38.761 24.085,39.5 31.677,39.5 32.441,38.736 35.913,38.736 35.938,38.761 36.846,38.761 39.074,40.989 74.108,40.989 74.154,40.944 94.944,40.944 96.837,42.837 96.837,42.963 v2(96.821,42.979)
  L4 w0.152: J16.2@-44.04,47.39 J16.2@-44.04,42.31 J16.2@-38.96,42.31 J16.2@-38.96,47.39
OUT_N21: C1_21.1 J17.2 L1_21.2 R4_21.1 R5_21.1 | length 166.4
  L1 w0.152: J17.2@-14.54,37.39 J17.2@-9.46,37.39 ; v2(75.5,76.189) 75.567,76.189 75.707,76.049 77.801,76.049 C1_21.1@78.25,75.6 81.82,75.6 L1_21.2@82.2,75.98 82.6,75.98 83.73,74.85 R5_21.1@85.15,74.85
  L3 w0.152: v2(75.5,76.189) 75.567,76.189 75.678,76.3 76,76.3 76.295,76.005 76.295,74.405 78.5,72.2 80,70.7 80,38.131 79.41,37.541 79.253,37.541 v2(79.206,37.494)
  L2 w0.152: J17.2@-9.46,37.39 -10.559,36.291 -10.559,36.165 -9.251,34.856 -8,34.856 13.999,34.856 ; 14,34.856 16.456,34.856 17.889,36.289 19.931,36.289 20.024,36.196 28.477,36.196 37.235,36.196 37.916,35.516 38.231,35.2 43.7,35.2 45.391,36.891 78.759,36.891 79.221,37.352 79.221,37.479 v2(79.206,37.494)
  L4 w0.152: J17.2@-14.54,37.39 J17.2@-14.54,32.31 J17.2@-9.46,32.31 J17.2@-9.46,37.39
OUT_N22: C1_22.1 J18.2 L1_22.2 R4_22.1 R5_22.1 | length 199.7
  L1 w0.152: J18.2@-24.373,37.39 J18.2@-19.293,37.39 ; v2(93,75.9) 93.047,75.947 93.047,76.104 93.712,76.769 93.712,77.758 94.089,78.135 94.215,78.135 94.671,77.679 94.671,77.504 95.575,76.6 C1_22.1@95.75,76.6 99.32,76.6 L1_22.2@99.7,76.98 100.1,76.98 101.23,75.85 R5_22.1@102.65,75.85
  L3 w0.152: v2(93,75.9) 93.047,75.947 93.247,75.947 93.3,76 94.5,76 95.6,74.9 98.8,71.7 98.8,37.1 96.626,34.926 96.469,34.926 v2(96.421,34.879)
  L2 w0.127: -8,34.145 -7.987,34.132 -7.419,34.132 -7.002,33.716 -6.879,33.592 3.382,33.592 3.458,33.668 13.986,33.668 13.999,33.681
  L2 w0.152: J18.2@-19.293,37.39 -20.392,36.291 -20.392,36.165 -19.099,34.872 -14.472,34.872 -12.9,33.3 -11.538,33.3 -10.693,34.145 -8,34.145 ; 13.999,33.681 22.539,33.681 22.564,33.656 25.544,33.656 25.9,33.3 30.627,33.3 31.008,33.681 36.039,33.681 36.064,33.656 51.432,33.656 51.876,34.1 95.8,34.1 96.437,34.737 96.437,34.863 v2(96.421,34.879)
  L4 w0.152: J18.2@-24.373,37.39 J18.2@-24.373,32.31 J18.2@-19.293,32.31 J18.2@-19.293,37.39
OUT_N23: C1_23.1 J19.2 L1_23.2 R4_23.1 R5_23.1 | length 198.6
  L1 w0.152: J19.2@-34.207,37.39 J19.2@-29.127,37.39 ; v2(74.078,87.278) 74.145,87.278 74.257,87.39 75.225,87.39 77.165,85.45 78.25,85.45 R4_23.1@80,85.45 79.95,85.45 R4_23.1@79.8,85.6 ; C1_23.1@78.25,85.6 R4_23.1@79.8,85.6 ; R5_23.1@85.15,84.85 83.73,84.85 82.6,85.98 L1_23.2@82.2,85.98 81.82,85.6 R4_23.1@79.8,85.6
  L3 w0.152: v2(69.121,30.879) 69.169,30.926 69.326,30.926 70.329,31.929 70.329,81.26 74.8,85.731 74.8,86.8 74.4,87.2 74.369,87.231 74.126,87.231 v2(74.078,87.278)
  L2 w0.127: -8,30.62 -7.987,30.62 -7.504,31.103 13.986,31.103 13.999,31.116
  L2 w0.152: J19.2@-29.127,37.39 -30.226,36.291 -30.226,36.165 -27.54,33.479 -27.54,33.313 -25.007,30.78 -24.841,30.78 -24.681,30.62 -8,30.62 ; 13.999,31.116 21.123,31.116 21.265,30.975 22.211,30.975 22.377,31.141 28.589,31.141 28.614,31.116 34.461,31.116 34.486,31.141 36.846,31.141 37.321,31.616 59.016,31.616 59.916,30.716 69.032,30.716 69.032,30.722 69.121,30.812 v2(69.121,30.879)
  L4 w0.152: J19.2@-34.207,37.39 J19.2@-34.207,32.31 J19.2@-29.127,32.31 J19.2@-29.127,37.39
OUT_N24: C1_24.1 J20.2 L1_24.2 R4_24.1 R5_24.1 | length 227.3
  L1 w0.152: J20.2@-44.04,37.39 J20.2@-38.96,37.39 ; v2(92.769,87.9) 92.8,87.869 94.556,87.869 95.575,86.85 C1_24.1@95.75,86.85 99.32,86.85 L1_24.2@99.7,87.23 100.1,87.23 101.23,86.1 R5_24.1@102.65,86.1
  L3 w0.152: v2(87.7,27.811) 87.767,27.811 87.878,27.7 88.159,27.7 88.248,27.789 88.248,27.948 89.4,29.1 89.4,82.631 92.9,86.131 92.9,87.702 92.769,87.833 v2(92.769,87.9)
  L2 w0.152: J20.2@-38.96,37.39 -40.059,36.291 -40.059,36.165 -39.092,35.198 -37.847,33.953 -36.194,32.3 -36.194,32.133 -34.757,30.696 -27.996,30.696 -26.8,29.5 -8,29.5 14.7,29.5 15.8,28.4 19.876,28.4 20.052,28.576 23.501,28.576 40.318,28.576 40.321,28.579 40.479,28.579 40.523,28.623 80.608,28.623 81.531,27.7 87.4,27.7 87.464,27.764 87.653,27.764 v2(87.7,27.811)
  L4 w0.152: J20.2@-44.04,37.39 J20.2@-44.04,32.31 J20.2@-38.96,32.31 J20.2@-38.96,37.39
OUT_N25: C1_25.1 J21.2 L1_25.2 R4_25.1 R5_25.1 | length 112.2
  L1 w0.152: J21.2@-14.54,27.39 J21.2@-9.46,27.39 ; v2(31.8,55.1) 31.847,55.053 32.004,55.053 32.292,54.765 32.292,54.494 32.787,53.999 32.877,53.91 37.424,53.91 39.48,55.966 41.606,55.966 42.116,55.455 42.116,55.309 43.075,54.35 C1_25.1@43.25,54.35 46.82,54.35 L1_25.2@47.2,54.73 47.6,54.73 48.73,53.6 R5_25.1@50.15,53.6
  L3 w0.152: v2(27.321,26.679) 27.369,26.726 27.526,26.726 28.263,27.463 28.263,40.994 31.9,44.631 31.9,54.8 31.847,54.853 31.847,55.053 v2(31.8,55.1)
  L2 w0.127: -10.226,25.831 -7.931,25.831 -7.675,26.087 4.114,26.087 4.127,26.075 13.986,26.075 13.999,26.087
  L2 w0.152: -10.226,25.831 -10.559,26.165 -10.559,26.291 J21.2@-9.46,27.39 ; 13.999,26.087 21.061,26.087 21.112,26.036 26.836,26.036 27.337,26.537 27.337,26.663 v2(27.321,26.679)
  L4 w0.152: J21.2@-14.54,27.39 J21.2@-14.54,22.31 J21.2@-9.46,22.31 J21.2@-9.46,27.39
OUT_N26: C1_26.1 J22.2 L1_26.2 R4_26.1 R5_26.1 | length 141.5
  L1 w0.152: J22.2@-24.373,27.39 J22.2@-19.293,27.39 ; v2(59.8,51.511) 59.733,51.511 59.622,51.4 59.371,51.4 59.282,51.489 59.282,54.629 59.622,54.969 59.749,54.969 59.847,54.871 59.847,53.828 60.575,53.1 C1_26.1@60.75,53.1 64.32,53.1 L1_26.2@64.7,53.48 65.1,53.48 66.23,52.35 R5_26.1@67.65,52.35
  L3 w0.152: v2(27.521,24.179) 27.569,24.226 27.726,24.226 30,26.5 30,40.131 32.614,42.745 32.614,45.551 35.5,48.437 35.5,51 35.436,51.064 35.436,51.253 v2(35.389,51.3)
  L2 w0.127: -7.784,23.716 -7.552,23.483 13.986,23.483 13.999,23.496
  L2 w0.152: J22.2@-19.293,27.39 -20.392,26.291 -20.392,26.165 -18.373,24.145 -13.105,24.145 -12.53,23.57 -10.795,23.57 -10.22,24.145 -8.214,24.145 -8,23.931 -7.784,23.716 ; 13.999,23.496 22.413,23.496 26.996,23.496 27.4,23.9 27.4,23.99 27.521,24.112 v2(27.521,24.179) ; v2(35.389,51.3) 35.389,51.343 35.75,51.705 37.926,51.705 38.216,51.416 38.231,51.4 59.622,51.4 59.733,51.511 v2(59.8,51.511)
  L4 w0.152: J22.2@-24.373,27.39 J22.2@-24.373,22.31 J22.2@-19.293,22.31 J22.2@-19.293,27.39
OUT_N27: C1_27.1 J23.2 L1_27.2 R4_27.1 R5_27.1 | length 151.4
  L1 w0.152: J23.2@-34.207,27.39 J23.2@-29.127,27.39 ; 42.178,63.453 43.075,64.35 C1_27.1@43.25,64.35 45,64.35 46.82,64.35 L1_27.2@47.2,64.73 47.6,64.73 48.73,63.6 R5_27.1@50.15,63.6
  L3 w0.152: v2@42,63.216 42.984,63.216 43.379,62.821 43.379,21.468 43.082,21.172 43.082,21.045 43.171,20.956 43.422,20.956 43.533,21.067 v2(43.6,21.067)
  L2 w0.152: J23.2@-29.127,27.39 -30.226,26.291 -30.226,26.165 -27.54,23.479 -27.54,23.313 -25.007,20.78 -22.08,20.78 -21.9,20.6 -8,20.6 10.342,20.6 10.698,20.956 23.501,20.956 43.118,20.956 43.181,21.02 43.553,21.02 v2(43.6,21.067)
  L4 w0.152: J23.2@-34.207,27.39 J23.2@-34.207,22.31 J23.2@-29.127,22.31 J23.2@-29.127,27.39
  other v2: 42,63.327
OUT_N28: C1_28.1 J24.2 L1_28.2 R4_28.1 R5_28.1 | length 182.5
  L1 w0.152: J24.2@-44.04,27.39 J24.2@-38.96,27.39 ; v2(59.3,65.089) 59.3,64.375 60.575,63.1 C1_28.1@60.75,63.1 64.32,63.1 L1_28.2@64.7,63.48 65.1,63.48 66.23,62.35 R5_28.1@67.65,62.35
  L3 w0.152: v2(58.721,20.079) 58.769,20.126 58.926,20.126 60.6,21.8 60.6,64.9 60.3,65.2 59.6,65.2 59.536,65.136 59.347,65.136 v2(59.3,65.089)
  L2 w0.127: -8,19.225 -7.987,19.212 13.986,19.212 13.999,19.225
  L2 w0.152: J24.2@-38.96,27.39 -40.059,26.291 -40.059,26.165 -38.942,25.048 -37.547,23.653 -36.077,22.182 -36.077,22.016 -34.822,20.761 -27.049,20.761 -25.918,19.63 -25.918,19.389 -25.754,19.225 -8,19.225 ; 13.999,19.225 18.475,19.225 19.1,18.6 19.234,18.466 21.062,18.466 21.112,18.416 24.842,18.416 24.963,18.295 30.276,18.295 30.422,18.441 36.039,18.441 36.064,18.416 57.216,18.416 58.737,19.937 58.737,20.063 v2(58.721,20.079)
  L4 w0.152: J24.2@-44.04,27.39 J24.2@-44.04,22.31 J24.2@-38.96,22.31 J24.2@-38.96,27.39
OUT_N29: C1_29.1 J25.2 L1_29.2 R4_29.1 R5_29.1 | length 138.7
  L1 w0.152: J25.2@-14.54,17.39 J25.2@-9.46,17.39 ; v2(41.8,73) 41.843,73 42.626,73.783 42.626,73.901 43.075,74.35 C1_29.1@43.25,74.35 46.82,74.35 L1_29.2@47.2,74.73 47.6,74.73 48.73,73.6 R5_29.1@50.15,73.6
  L3 w0.152: v2(24.744,16.7) 24.744,16.767 24.871,16.894 24.871,31.556 24.949,31.633 24.949,67.58 25.871,68.502 26.275,68.502 v2(26.3,68.527)
  L2 w0.127: -8.837,15.961 -8.83,15.955 -7.175,15.955 -7.083,15.863 13.986,15.863 13.999,15.876
  L2 w0.152: J25.2@-9.46,17.39 -10.559,16.291 -10.559,16.165 -10.356,15.961 -8.837,15.961 ; 13.999,15.876 21.844,15.876 21.971,16.003 24.221,16.003 v2@24.768,16.55
  L4 w0.152: J25.2@-14.54,17.39 J25.2@-14.54,12.31 J25.2@-9.46,12.31 J25.2@-9.46,17.39 ; v2(26.3,68.527) 26.367,68.527 26.478,68.416 28.116,68.416 29.111,69.411 30.217,69.411 30.382,69.576 37.001,69.576 39.134,71.709 41.132,71.709 42.318,72.896 42.318,73.022 42.229,73.111 41.978,73.111 41.867,73 v2(41.8,73)
OUT_N30: C1_30.1 J26.2 L1_30.2 R4_30.1 R5_30.1 | length 169.8
  L1 w0.152: J26.2@-24.373,17.39 J26.2@-19.293,17.39 ; v2(59.3,74.373) 59.302,74.373 60.575,73.1 C1_30.1@60.75,73.1 64.32,73.1 L1_30.2@64.7,73.48 65.1,73.48 66.23,72.35 R5_30.1@67.65,72.35
  L3 w0.152: J26.2@-19.293,17.39 -20.392,16.291 -20.392,16.165 -20.189,15.961 -18.702,15.961 -17.327,17.336 -17.327,17.373 -14.595,20.105 -8,20.105 16.205,20.105 18.206,22.106 18.206,24.637 19.732,26.163 20.908,26.163 21.553,26.808 21.553,29.168 21.623,29.238 21.623,32.87 21.597,32.896 21.597,36.833 21.623,36.858 21.623,41.787 21.597,41.812 21.597,54.973 21.623,54.998 21.623,55.934 21.622,57.538 ; 21.623,57.538 21.623,59.842 21.597,59.867 21.597,62.476 21.623,62.501 21.623,66.173 21.597,66.198 21.597,70.057 21.623,70.083 21.623,73.716 22.563,74.656 23.501,74.656 23.818,74.973 25.573,74.973 25.9,75.3 31.238,75.3 31.755,74.783 34.485,74.783 34.612,74.656 37.656,74.656 38.337,75.337 38.337,75.463 v2(38.321,75.479)
  L4 w0.152: J26.2@-24.373,17.39 J26.2@-24.373,12.31 J26.2@-19.293,12.31 J26.2@-19.293,17.39 ; v2(38.321,75.479) 38.369,75.526 38.526,75.526 38.839,75.839 39.908,75.839 40.592,76.523 56.292,76.523 56.974,77.205 59.426,77.205 60.055,76.576 60.055,75.224 59.579,74.748 59.579,74.7 59.3,74.422 v2(59.3,74.373)
OUT_N31: C1_31.1 J27.2 L1_31.2 R4_31.1 R5_31.1 | length 166.1
  L1 w0.152: J27.2@-34.207,17.39 J27.2@-29.127,17.39 ; v2(40.489,86.3) 41.99,84.799 42.801,84.799 C1_31.1@43.25,84.35 46.82,84.35 L1_31.2@47.2,84.73 47.6,84.73 48.73,83.6 R5_31.1@50.15,83.6
  L3 w0.152: J27.2@-29.127,17.39 -30.226,16.291 -30.226,16.165 -30.023,15.961 -28.535,15.961 -26.994,17.503 -26.994,17.806 -24.02,20.78 -18.659,20.78 -18.634,20.805 -18.295,20.805 -16.6,22.5 -16.6,28.2 -14.495,30.305 -8,30.305 17.192,30.305 18.613,31.726 18.613,76.044 19.765,77.196 28.761,77.196 37.152,77.196 37.383,77.196 38.2,78.013 38.2,82.431 40.6,84.831 40.6,86.122 40.489,86.233 v2(40.489,86.3)
  L4 w0.152: J27.2@-34.207,17.39 J27.2@-34.207,12.31 J27.2@-29.127,12.31 J27.2@-29.127,17.39
OUT_N32: C1_32.1 J28.2 L1_32.2 R4_32.1 R5_32.1 | length 196.9
  L1 w0.152: J28.2@-44.04,17.39 J28.2@-38.96,17.39 ; v2(58.016,83.6) 58.666,82.95 R4_32.1@62.5,82.95 ; C1_32.1@60.75,83.1 64.32,83.1 L1_32.2@64.7,83.48 65.1,83.48 66.23,82.35 R5_32.1@67.65,82.35
  L3 w0.152: J28.2@-38.96,17.39 -40.059,16.291 -40.059,16.165 -39.856,15.961 -37.3,15.961 -36.905,16.357 -36.905,18.326 -35.631,19.6 -27.6,19.6 -26.6,20.6 -26.6,28.431 -24.526,30.505 -18.095,30.505 -17.1,31.5 -17.1,39.131 -15.726,40.505 -8,40.505 15.505,40.505 17.3,42.3 17.3,78.631 18.405,79.736 20.961,79.736 21.088,79.863 26.763,79.863 28.8,81.9 28.8,82.604 33.596,87.4 56.531,87.4 57.316,86.616 57.905,86.026 57.905,83.9 57.969,83.836 57.969,83.647 v2(58.016,83.6)
  L4 w0.152: J28.2@-44.04,17.39 J28.2@-44.04,12.31 J28.2@-38.96,12.31 J28.2@-38.96,17.39